# Altium PCB CherryPi.PcbDoc (part 2 of 2)
Units mil, origin at the board's own origin, x right, y up, seen from the top; angles counter-clockwise.
Board outline 3346.46 x 2204.72 mil, 4 copper layers (Top Layer, Mid-Layer 1, Mid-Layer 2, Bottom Layer), stack 49 mil thick; 110 components, 145 nets, 563 pads, 296 vias.
Unrouted connection lines stored in the file: 50.
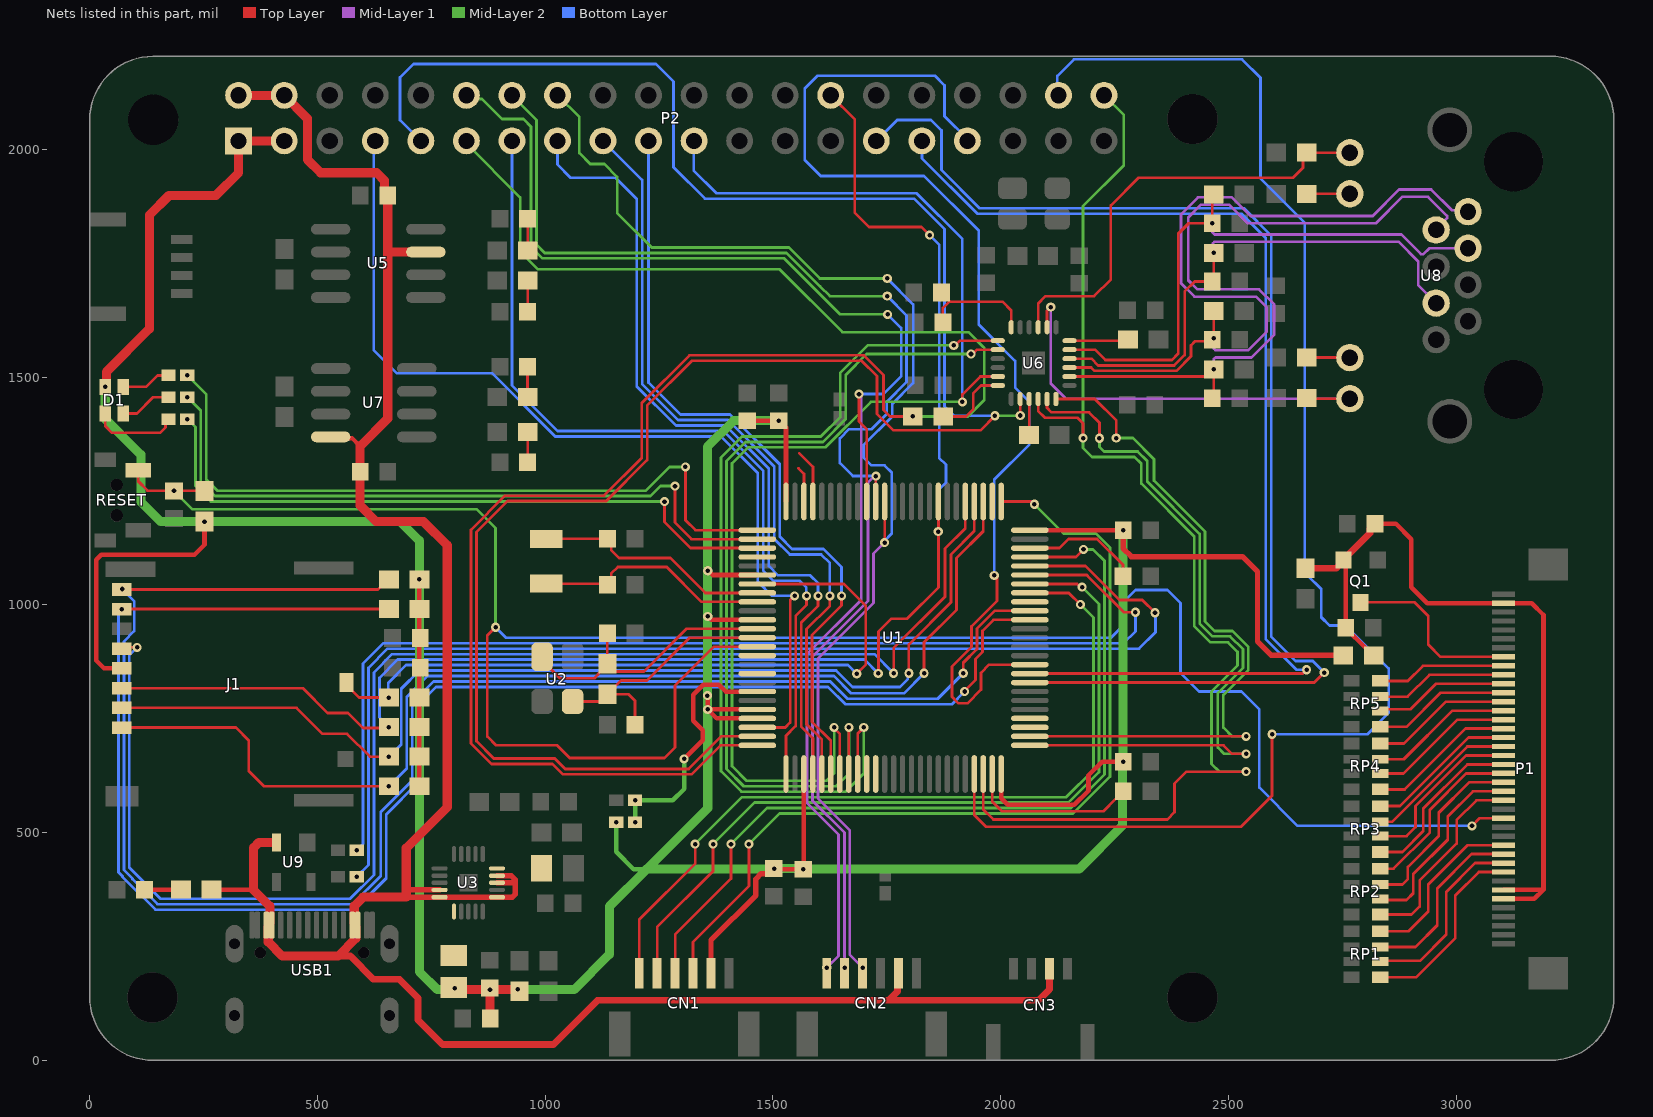
[diagram p4: the nets of this part, all layers, seen from the top]

## Via types
v1: diameter 20, hole 10, Top Layer to Bottom Layer, 296 vias

## Nets (pads, with @x,y where several pads share a name; then routed paths per layer and width w, separated by ;. In a path a pad name is that pad's centre, name@x,y a point inside that pad or via, vN(x,y) a via of type N, cw(c..) or ccw(c..) an arc to the next point about the centre after c; other vN are vias at no path point) (continued)
LCD_VCC: C1.1 C2.1 P1.6 P1.7 P1.39 Q1.2 R1.1 R4.1 | length 1739.8
  Top Layer w10: Q1.2@2753.1,1099.37 2757.87,1094.6 C2.1@2757.87,950.13 2757.87,949.14 2802.35,904.67 2802.35,904 2817.03,889.31 R1.1@2819,889.31 ; C1.1@2822,1178 2868,1178 2902,1144 2902,1039 2936.87,1004.13 P1.39@3104,1004.13 3165.87,1004.13 3192,978 3192,375 3191.2,374.2 ; P1.6@3104,354.52 3171.52,354.52 3191.2,374.2 ; P1.7@3104,374.2 3191.2,374.2
  Top Layer w15: R4.1@2669,1080.46 2736.16,1080.46 2753.1,1097.4 Q1.2@2753.1,1098.39 2753.1,1099.37 2811.19,1157.46 2811.19,1167.19 C1.1@2822,1178
LED_B: R16.1 U1.3 | length 1470.9
  Top Layer w6: v1(1262,1227) 1262,1182 1319.15,1124.85 U1.3@1465.79,1124.85
  Mid-Layer 2 w6: v1(214.34,1408) 232,1390.34 232,1261 266,1227 v1(1262,1227)
LED_G: R12.1 U1.2 | length 1537.1
  Top Layer w6: v1(1285,1261) 1285,1181 1321.46,1144.54 U1.2@1465.79,1144.54
  Mid-Layer 2 w6: v1(214.34,1456) 244,1426.34 244,1270 275,1239 1231,1239 1253,1261 v1(1285,1261)
LED_R: R19.1 U1.1 | length 1613.6
  Top Layer w6: v1(1308,1303) 1308,1186 1329.78,1164.22 U1.1@1465.79,1164.22
  Mid-Layer 2 w6: v1(214.34,1504) 256,1462.34 256,1274.97 279.97,1251 1221,1251 1273,1303 v1(1308,1303)
LINK_LED: R35.2 U6.3 U8.12 | length 983
  Top Layer w6: U6.3@2082.34,1609.74 2082.34,1661.34 2099,1678 2205,1678 2242,1715 2242,1877 2303,1938 2642,1938 2664,1960 2664,1984.95 R35.2@2672.05,1993 2672.12,1993.08 U8.12@2766.85,1993.08
LX1: L1.1 U3.11
LX3: L2.1 U3.20
NetC3_2: C3.2 U1.49 | length 375.5
  Top Layer w6: U1.49@1981.54,628.79 1981.54,568.46 2003,547 2225.98,547 2253.69,574.71 2269,590.02 C3.2@2269,591
NetC4_2: C4.2 U1.73 | length 261.6
  Top Layer w6: U1.73@2064.21,1124.85 2128.85,1124.85 2149,1145 2212,1145 2268.68,1088.32 C4.2@2268.68,1063
NetC25_1: C25.1 C26.1 U6.6 | length 259.3
  Top Layer w6: C25.1@1870,1686 1870,1685.02 1887.46,1667.56 1887.46,1666 ; C26.1@1873.32,1620.65 1873.22,1620.75 1873.22,1651.76 1887.46,1666 ; U6.6@2023.29,1609.74 2023.29,1646.71 2004,1666 1887.46,1666
NetD1_1: D1.1 R19.2 | length 109.9
  Top Layer w6: D1.1@73.43,1479 124,1479 149,1504 R19.2@173,1504
NetD1_3: D1.3 R16.2 | length 191.8
  Top Layer w6: D1.3@34,1420.38 34,1393 49,1378 154.59,1378 166.31,1389.72 166.31,1401.31 R16.2@173,1408
NetD1_4: D1.4 R12.2 | length 114.3
  Top Layer w6: D1.4@73.43,1420.38 103.38,1420.38 139,1456 R12.2@173,1456
NetD2_1: D2.1 R22.1 | length 79.9
  Top Layer w10: D2.1@120.32,375 R22.1@200.24,375
NetD3_1: D3.1 R23.1 | length 68.5
  Top Layer w6: D3.1@961.59,1644.28 R23.1@961.59,1711.99
  Top Layer w15: D3.1@961.32,1644 D3.1@961.59,1644.28 ; R23.1@961.59,1711.99 R23.1@961.87,1712.26
NetD4_1: D4.1 R26.1 | length 69.6
  Top Layer w6: D4.1@961.32,1848 961.87,1847.45 R26.1@961.87,1778.6
NetD5_1: D5.1 R34.1 | length 67.2
  Top Layer w6: D5.1@961.32,1313 961.87,1313.55 R34.1@961.87,1380
NetD8_1: D8.1 R41.1 | length 65.4
  Top Layer w6: R41.1@961.32,1457.55 D8.1@961.32,1523
NetP1_9: P1.9 RP1.2 | length 420.8
  Top Layer w6: RP1.2@2833.62,182.73 2912.73,182.73 2998.06,268.06 2998.06,361.54 3050.09,413.57 P1.9@3104,413.57
NetP1_10: P1.10 RP1.4 | length 414
  Top Layer w6: RP1.4@2833.62,218.68 2920.85,218.68 2978.37,276.21 2978.37,369.69 3041.94,433.26 P1.10@3104,433.26
NetP1_11: P1.11 RP1.6 | length 402.4
  Top Layer w6: RP1.6@2833.62,248.87 2910.87,248.87 2958.69,296.69 2958.69,377.85 3033.78,452.94 P1.11@3104,452.94
NetP1_12: P1.12 RP1.8 | length 383.2
  Top Layer w6: RP1.8@2833.62,283.52 2895.46,283.52 2939,327.06 2939,386 3025.63,472.63 P1.12@3104,472.63
NetP1_17: P1.17 RP2.2 | length 437.6
  Top Layer w6: RP2.2@2833.62,320.17 2902.17,320.17 2920,338 2920,395 3001.37,476.37 3001.37,527.37 3045.06,571.06 P1.17@3104,571.06
NetP1_18: P1.18 RP2.4 | length 424.8
  Top Layer w6: RP2.4@2833.62,354.82 2836.44,352 2891,352 2906.08,367.08 2906.08,408.92 2981.68,484.52 2981.68,535.52 3036.9,590.74 P1.18@3104,590.74
NetP1_19: P1.19 RP2.6 | length 408.7
  Top Layer w6: RP2.6@2833.62,386.31 2882.31,386.31 2894.08,398.08 2894.08,424.76 2962,492.68 2962,543.68 3028.75,610.43 P1.19@3104,610.43
NetP1_20: P1.20 RP2.8 | length 386
  Top Layer w6: RP2.8@2833.62,420.96 2862.44,420.96 2942.32,500.83 2942.32,550.34 3022.08,630.11 P1.20@3104,630.11
NetP1_21: P1.21 RP3.2 | length 379
  Top Layer w6: RP3.2@2833.62,457.61 2882.12,457.61 2928,503.49 2928,553 3024.8,649.8 P1.21@3104,649.8
NetP1_22: P1.22 RP3.4 | length 370.9
  Top Layer w6: RP3.4@2833.62,492.25 2891.01,492.25 2910.76,512 2910.76,558.24 3022,669.48 P1.22@3104,669.48
NetP1_23: P1.23 RP3.6 | length 338.9
  Top Layer w6: RP3.6@2833.62,523.75 2859.3,523.75 3024.71,689.17 P1.23@3104,689.17
NetP1_24: P1.24 RP3.8 | length 332.7
  Top Layer w6: RP3.8@2833.62,558.39 2876.97,558.39 3027.43,708.85 P1.24@3104,708.85
NetP1_25: P1.25 RP4.2 | length 325.7
  Top Layer w6: RP4.2@2833.62,595.04 2887.04,595.04 3020.54,728.54 P1.25@3104,728.54
NetP1_26: P1.26 RP4.4 | length 319.5
  Top Layer w6: RP4.4@2833.62,629.69 2884.69,629.69 3003.22,748.22 P1.26@3104,748.22
NetP1_27: P1.27 RP4.6 | length 314.6
  Top Layer w6: RP4.6@2833.62,661.19 2885.19,661.19 2991.91,767.91 P1.27@3104,767.91
NetP1_28: P1.28 RP4.8 | length 308.4
  Top Layer w6: RP4.8@2833.62,695.83 2885.83,695.83 2977.59,787.59 P1.28@3104,787.59
NetP1_29: P1.29 RP5.2 | length 301.4
  Top Layer w6: RP5.2@2833.62,732.48 2891.2,732.48 2966,807.28 P1.29@3104,807.28
NetP1_30: P1.30 RP5.4 | length 295.2
  Top Layer w6: RP5.4@2833.62,767.13 2837.5,771 2900,771 2955.96,826.96 P1.30@3104,826.96
NetP1_31: P1.31 RP5.6 | length 290.3
  Top Layer w6: RP5.6@2833.62,798.62 2893.62,798.62 2941.65,846.65 P1.31@3104,846.65
NetP1_32: P1.32 RP5.8 | length 284.3
  Top Layer w6: RP5.8@2833.62,833.27 2833.89,833 2894,833 2927.33,866.33 P1.32@3104,866.33
NetP1_33: P1.33 Q1.3 | length 400
  Top Layer w6: Q1.3@2790.5,1005.87 2909.13,1005.87 2939,976 2939,913 2965.98,886.02 P1.33@3104,886.02
NetR27_2: R27.2 U6.24 | length 129.1
  Top Layer w6: U6.24@2151.24,1580.21 2277.21,1580.21 R27.2@2279.42,1578
NetR32_2: R32.2 U6.15 | length 79.3
  Top Layer w6: R32.2@2062.54,1373 2062.66,1373.12 U6.15@2062.66,1452.26
NetR33_1: R33.1 U6.12 | length 168.3
  Top Layer w6: R33.1@1874,1414 1924,1414 1940,1430 1940,1465 1956.79,1481.79 U6.12@1993.76,1481.79
NetR38_1: R38.1 U8.10 | length 94.8
  Top Layer w6: R38.1@2672.05,1543 2672.13,1543.08 U8.10@2766.85,1543.08
NetR39_2: R39.2 U8.11 | length 95.2
  Top Layer w6: R39.2@2672.05,1902 2672.97,1902.92 U8.11@2766.85,1902.92
OSC32_IN: C14.2 U1.8 Y1.2 | length 522.5
  Top Layer w6: Y1.2@1002.2,1145.21 1136.47,1145.21 1144.93,1136.76 1144.93,1120.22 1162.15,1103 1275,1103 1351.57,1026.43 U1.8@1465.79,1026.43
OSC32_OUT: C13.1 U1.9 Y1.1 | length 522.4
  Top Layer w6: Y1.1@1002.2,1046.79 1133.9,1046.79 C13.1@1136.68,1044 1144.93,1052.24 1144.93,1068.78 1159.46,1083.32 1266.85,1083.32 1343.42,1006.74 U1.9@1465.79,1006.74
OSC_IN: C12.2 R2.2 U1.12 U2.3 | length 624.9
  Top Layer w6: U2.3@993.24,886.43 993.24,878.55 1032.79,839 1108,839 1116,847 1116,848.39 1136.57,868.96 R2.2@1136.57,870.93 ; C12.2@1136.69,938 1136.57,937.88 R2.2@1136.57,870.93 ; U1.12@1465.79,947.68 1310.55,947.68 1216.87,854 1153.5,854 R2.2@1136.57,870.93
OSC_OUT: C11.2 R2.1 U1.13 U2.1 | length 583
  Top Layer w6: U2.1@1060.17,788 1120.57,788 R2.1@1136.57,804 ; C11.2@1197.31,737 1197.31,789.69 1183,804 R2.1@1136.57,804 ; U1.13@1465.79,928 1316.84,928 1223.15,834.32 1166.88,834.32 R2.1@1136.57,804
PA0: P2.7 U1.23 | length 2106.9
  Top Layer w6: U1.23@1465.79,731.15 1527.15,731.15 1538,742 1538,1010.25 v1(1547.75,1020)
  Bottom Layer w6: P2.7@627,2019 623.49,2015.49 623.49,1559.51 674,1509 883.03,1509 1022.03,1370 1386.12,1370 1467,1289.12 1467,1051 1498,1020 v1(1547.75,1020)
PA1: P2.9 U1.24 U6.14 | length 4846.9
  Top Layer w6: U1.24@1465.79,711.46 1386.46,711.46 1315,640 1044.03,640 1021.03,663 887,663 849,701 849,1159.97 917.03,1228 1134.03,1228 1224,1317.97 1224,1438.16 1321.84,1536 1695.03,1536 1728.59,1502.44 1728.59,1419.41 1764.51,1383.49 1955.49,1383.49 v1(1987.35,1415.35) ; v1(2043,1416) U6.14@2042.97,1452.26
  Mid-Layer 2 w6: v1(1987.35,1415.35) 1987.68,1415.68 2042.68,1415.68 v1(2043,1416)
  Bottom Layer w6: P2.9@727,2019 681.49,2064.51 681.49,2158.49 711,2188 1243,2188 1282,2149 1282,1961 1350.97,1892.03 1810.06,1892.03 1877,1825.09 1877,1436 1897.65,1415.35 v1(1987.35,1415.35)
PA2: P2.11 R33.2 U1.25 | length 4133.6
  Top Layer w6: U1.25@1465.79,691.78 1384.78,691.78 1321,628 1039.06,628 1016.06,651 882.03,651 837,696.03 837,1164.94 912.06,1240 1129.06,1240 1212,1322.94 1212,1443.13 1316.87,1548 1700,1548 1743,1505 1743,1428 1757,1414 v1(1807.07,1414)
  Mid-Layer 2 w6: P2.11@827,2016 827,2013.03 945,1895.03 945,1776 984,1737 1515,1737 1653,1599 1929.03,1599 1964,1564.03 1964,1450 1928,1414 v1(1807.07,1414)
PA3: P2.13 U1.26 | length 1924.2
  Top Layer w6: U1.26@1528.78,628.79 1528.78,712.78 1550,734 1550,976 1574,1000 v1(1574,1020)
  Bottom Layer w6: P2.13@927,2019 927,1482 1027,1382 1391.09,1382 1479,1294.09 1479,1075 1501,1053 1559,1053 1573,1039 1573,1021 v1(1574,1020)
PA4: P2.15 U1.29 | length 1815.9
  Top Layer w6: U1.29@1587.83,628.79 1587.83,707.22 1562,733.06 1562,961 1599,998 v1@1599,1020
  Bottom Layer w6: P2.15@1027,2019 1027,1967 1056,1938 1154,1938 1201,1891 1201,1480.03 1287.03,1394 1396.06,1394 1491,1299.06 1491,1085.48 1511.48,1065 1582,1065 1599.25,1047.75 v1(1599.25,1020)
PA5: P2.17 U1.30 | length 1735.7
  Top Layer w6: U1.30@1607.52,628.79 1607.52,704.51 1574,738.03 1574,946.97 1625,997.97 v1(1625,1020)
  Bottom Layer w6: P2.17@1127,2019 1213,1933 1213,1485 1292,1406 1401.03,1406 1503,1304.03 1503,1145.2 1537.2,1111 1606.03,1111 1625,1092.03 v1(1625,1020)
PA6: P2.19 U1.31 | length 1713.8
  Top Layer w6: U1.31@1627.2,628.79 1627.2,701.8 1586,743 1586,934 1650.75,998.75 v1(1650.75,1020)
  Bottom Layer w6: P2.19@1227,2019 1227,1487.97 1296.97,1418 1406,1418 1515,1309 1515,1150.17 1542.17,1123 1611,1123 1650.75,1083.25 v1(1650.75,1020)
PA7: P2.21 U1.32 U6.11 | length 2864.5
  Top Layer w6: v1(1634.5,731) 1634.5,728.91 1646.89,716.52 U1.32@1646.89,628.79 ; v1(1916,1446) 1916,1462 1955.47,1501.47 U6.11@1993.76,1501.47
  Mid-Layer 2 w6: v1(1634.5,731) 1634.5,630.5 1618,614 1442,614 1410,646 1410,1311.03 1444.97,1346 1614.97,1346 1714.97,1446 v1(1916,1446)
  Bottom Layer w6: P2.21@1327,2019 1326,2018 1326,1954 1375.97,1904.03 1815.03,1904.03 1916,1803.06 v1(1916,1446)
PA8: U1.67
PA9: CN1.1 U1.68 | length 1760.6
  Top Layer w6: CN1.1@1206.58,203.86 1206.58,308.93 1329.26,431.62 v1(1329.26,475) ; U1.68@2064.21,1026.43 2149.57,1026.43 v1(2175,1001)
  Mid-Layer 2 w6: v1(1329.26,475) 1432.26,578 2144.09,578 2204,637.91 2204,972 v1(2175,1001)
PA10: CN1.2 U1.69 | length 1773.9
  Top Layer w6: CN1.2@1245.95,203.86 1245.95,292.63 1368.63,415.31 v1(1368.63,475) ; U1.69@2064.21,1046.11 2168.1,1046.11 2175.21,1039 v1(2179,1039)
  Mid-Layer 2 w6: v1(1368.63,475) 1459.63,566 2149.06,566 2216,632.94 2216,1002 v1(2179,1039)
PA11: R14.2 U1.70 | length 2448.4
  Top Layer w6: U1.70@2064.21,1065.8 2189.2,1065.8 2190.98,1064.02 2271,984 v1(2296,984)
  Bottom Layer w6: v1(586.34,461.32) 600,474.98 600,871 645,916 1327,916 2270,916 2296,942 v1(2296,984)
PA12: R18.2 U1.71 | length 2590.3
  Top Layer w6: U1.71@2064.21,1085.48 2186.49,1085.48 2260.97,1011 2311,1011 v1(2339,983)
  Bottom Layer w6: v1(586.34,403.32) 612,428.98 612,862 654,904 2304,904 2340,940 2340,982 v1(2339,983)
PA15: U1.77
PB0: U1.35
PB1: U1.36
PB3: CN2.3 P2.16 U1.89 | length 2805.5
  Top Layer w6: v1(1745.32,1137) U1.89@1745.32,1227.21
  Mid-Layer 1 w6: v1(1696.96,203.86) 1669,231.82 1669,505 1599,575 1599,882.06 1721,1004.06 1721,1112.68 v1(1745.32,1137)
  Mid-Layer 2 w6: P2.16@1027,2119 1075,2071 1075,1992 1099,1968 1130,1968 1158,1940 1158,1861.03 1234.03,1785 1239,1785 1534.96,1785 1602.96,1717 v1(1751,1717)
  Bottom Layer w6: v1(1745.32,1137) 1745.32,1140.79 1761,1156.47 1761,1291 1745.38,1306.62 1716.38,1306.62 1699,1324 1699,1350.97 1762,1413.97 1762,1440.97 1808,1486.97 1808,1660 v1(1751,1717)
PB4: CN2.2 P2.14 U1.90 | length 2955.5
  Top Layer w6: U1.90@1725.63,1227.21 1725.81,1227.4 1725.81,1282.81 v1(1726,1283)
  Mid-Layer 1 w6: v1(1657.59,203.86) 1657.59,226.26 1657,226.85 1657,500.03 1587,570.03 1587,887.03 1709,1009.03 1709,1268.89 1723.11,1283 v1(1726,1283)
  Mid-Layer 2 w6: P2.14@927,2119 981,2065 981,1791 999,1773 1529.99,1773 1603.49,1699.49 1624.99,1678 v1(1751,1678)
  Bottom Layer w6: v1(1726,1283) 1675.55,1283 1646.89,1311.66 1646.89,1365.46 1667.43,1386 1717.06,1386 1750,1418.94 1750,1445.94 1793.53,1489.47 1793.53,1635.47 v1(1751,1678)
PB5: CN2.1 P2.12 U1.91 | length 3128.4
  Top Layer w6: v1(1689,1463) 1689,1402.97 1705.94,1386.03 U1.91@1705.94,1227.21
  Mid-Layer 1 w6: v1(1618.22,203.86) 1644,229.64 1644,496.06 1575,565.06 1575,892 1694,1011 1694,1454.21 1689,1459.21 v1(1689,1463)
  Mid-Layer 2 w6: P2.12@827,2119 835.24,2110.76 861.24,2110.76 905,2067 952,2067 969,2050 969,1785.94 993.94,1761 1524.94,1761 1647.94,1638 v1(1752,1638)
  Bottom Layer w6: v1(1689,1463) 1742.53,1463 1781.53,1502 1781.53,1608.47 v1(1752,1638)
PB10: P2.38 U1.47 | length 3246.7
  Top Layer w6: U1.47@1942.17,628.79 1942.17,538.83 1968,513 2528,513 2596,581 v1(2596,716)
  Bottom Layer w6: P2.38@2127,2119 2124.49,2121.51 2124.49,2161.49 2161,2198 2530,2198 2570.51,2157.49 2570.51,1936.51 2668,1839.02 2668,1070.97 2672.97,1066 ; v1(2596,716) 2804.97,716 2852,763.03 2852,860.85 2771.93,940.93 2757.85,955 2721.97,955 2704,972.97 2704,1035 2673,1066
PB11: P2.40 U1.48 U6.16 | length 2760.2
  Top Layer w6: U1.48@1961.85,628.79 1961.85,551.15 1984,529 2366,529 2382,545 2382,608 2408,634 v1(2539,634) ; U6.16@2082.34,1452.26 2082.34,1425.66 2097,1411 2169,1411 2181,1399 v1(2181,1366.31)
  Mid-Layer 2 w6: P2.40@2227,2119 2270.49,2075.51 2270.49,1965.49 2181,1876 v1(2181,1366.31) 2181,1345 2201,1325 2294,1325 2309,1310 2309,1266.88 2425,1150.88 2425,954 2461,918 2499,918 2520,897 2520,867 2463,810 2463,651 2480,634 v1(2539,634)
PB12: U1.51 U6.17 | length 1630.8
  Top Layer w6: U1.51@2064.21,691.78 2489.18,691.78 2507.96,673 v1(2539,673) ; U6.17@2102.03,1452.26 2102.03,1432.97 2112,1423 2194,1423 2217,1400 v1(2217,1366)
  Mid-Layer 2 w6: v1(2217,1366) 2217,1347 2227,1337 2301,1337 2322,1316 2322,1270.85 2437,1155.85 2437,958.97 2464.97,931 2504,931 2532,903 2532,862.03 2477,807.03 2477,687 2491,673 v1(2539,673)
PB13: U1.52 U6.18 | length 1546.2
  Top Layer w6: U1.52@2064.21,711.46 v1(2539,711.46) ; U6.18@2121.4,1452.26 2206.74,1452.26 2254,1405 v1(2254,1366.47)
  Mid-Layer 2 w6: v1(2254,1366.47) 2290.53,1366.47 2337,1320 2337,1272.82 2449,1160.82 2449,963.94 2469.94,943 2508.97,943 2544,907.97 2544,857.06 2489,802.06 2489,731 2508.54,711.46 v1(2539,711.46)
PB14: U1.53
PB15: U1.54
PC0: U1.15
PC2: U1.17
PC4: U1.33 U6.8 | length 1929.6
  Top Layer w6: U1.33@1666.57,628.79 1666.79,629 1666.79,730.79 v1(1667,731) ; v1(1935,1551) 1938.79,1551 1948.32,1560.53 U6.8@1993.76,1560.53
  Mid-Layer 2 w6: v1(1667,731) 1667,630 1639,602 1435.97,602 1398,639.97 1398,1316 1440,1358 1610,1358 1660,1408 1660,1505.03 1705.97,1551 v1(1935,1551)
PC5: U1.34 U6.7 | length 2017.4
  Top Layer w6: U1.34@1686.26,628.79 1686.26,717.37 1699.5,730.61 v1(1699.5,731) ; v1(1897,1570) 1900.79,1570 1911,1580.21 U6.7@1993.76,1580.21
  Mid-Layer 2 w6: v1(1699.5,731) 1699.5,629.5 1660,590 1431,590 1386,635 1386,1324 1432,1370 1605.03,1370 1648,1412.97 1648,1510 1708,1570 v1(1897,1570)
PC8: J1.7 R13.2 U1.65 | length 3735.8
  Top Layer w6: J1.7@70.1,990.6 v1(70.37,990.87) 70.64,991.14 R13.2@657,991.14 ; v1(1921,810) 1921,811 1945,835 1945,881.54 1960,896.54 1960,943.09 1984.28,967.37 U1.65@2064.21,967.37
  Bottom Layer w6: v1(70.37,990.87) 63,983.5 63,413.06 72.53,403.53 ; 72,403 144,331 582,331 651,400 651,540.03 720,609.03 720,779.89 760.11,820 1621.03,820 1659.03,782 1893,782 v1(1921,810)
PC9: J1.8 R15.2 U1.66 | length 3774.6
  Top Layer w6: J1.8@70.1,1033.9 632.93,1033.9 655.03,1056 R15.2@657,1056 ; v1(1918,850) 1918,873.03 1948,903.03 1948,948.06 1987,987.06 U1.66@2064.21,987.06
  Bottom Layer w6: v1(71,1035) 97.61,1008.39 97.61,942.61 75,920 75,418.03 94,399.03 94,397.97 148.97,343 577.03,343 639,404.97 639,545 708,614 708,784.86 755.14,832 1626,832 1664,794 1862,794 v1(1918,850)
PC10: J1.1 R7.2 U1.78 | length 2511.7
  Top Layer w6: J1.1@70.1,730.7 321.3,730.7 349,703 349,636 383.03,601.97 v1(657,601.97) ; v1(1832,850) 1832,918.03 1903,989.03 1903,1103 1961.85,1161.85 U1.78@1961.85,1227.21
  Bottom Layer w6: v1(657,601.97) 696,640.97 696,798 742,844 1634,844 1672,806 1788,806 v1(1832,850)
PC11: J1.2 R9.2 U1.79 | length 2392.9
  Top Layer w6: J1.2@70.1,774 454.03,774 511.02,717.01 564.99,717.01 615.17,666.83 v1(657,666.83) ; v1(1798.54,850) 1798.54,913.54 1891,1006 1891,1111 1942.17,1162.17 U1.79@1942.17,1227.21
  Bottom Layer w6: v1(657,666.83) 684,693.83 684,816 724,856 1639,856 1675,820 1779,820 1796.33,837.33 1796.33,847.8 v1(1798.54,850)
PC12: J1.5 U1.80 | length 3175.1
  Top Layer w6: J1.5@70.1,904 73.1,907 v1(104,907) ; v1(1765.07,850) 1765.07,905.07 1878,1018 1878,1124 1922.48,1168.48 U1.80@1922.48,1227.21
  Bottom Layer w6: v1(104,907) 87,890 87,423 155,355 571.7,355 624,407.3 624,851.92 664.08,892 1723.07,892 v1(1765.07,850)
PC13: J1.9 R17.2 U1.7 | length 1611.1
  Top Layer w6: J1.9@563.8,829.7 563.8,824.4 591.65,796.55 v1(657,796.55) ; U1.7@1465.79,1046.11 1655.89,1046.11 1704,998 1704,869 v1(1684,849)
  Bottom Layer w6: v1(657,796.55) 655.45,798.1 655.45,829.04 694.41,868 1665,868 v1(1684,849)
PD2: J1.3 P2.28 R10.2 U1.83 | length 3455.1
  Top Layer w6: J1.3@70.1,817.3 467.7,817.3 522,763 567,763 600,730 655.31,730 v1(657,731.69) ; P2.28@1627,2119 1680,2066 1680,1861 1711,1830 1826,1830 v1(1844,1812) ; v1(1731.37,849.76) 1731.61,850 1731.61,941.61 1760,970 1795,970 1863.43,1038.43 U1.83@1863.43,1227.21
  Bottom Layer w6: v1(657,731.69) 636,752.69 636,840 676,880 1701.13,880 v1(1731.37,849.76) ; v1(1844,1812) 1865,1791 1865,1323 1880,1308 1880,1269 1863,1252 v1(1863,1161)
PD11: P2.29 U1.58 | length 2727.6
  Top Layer w6: U1.58@2064.21,829.57 2688.57,829.57 v1(2710.55,851.55)
  Bottom Layer w6: P2.29@1727,2019 1773,2065 1847,2065 1870,2042 1870,1954.91 1953.91,1871 2534.2,1871 2594,1811.2 2594,930.58 2647.77,876.8 2685.3,876.8 v1(2710.55,851.55)
PD12: P2.31 U1.59 | length 2475.1
  Top Layer w6: U1.59@2064.21,849.26 2663.26,849.26 v1(2671.8,857.8)
  Bottom Layer w6: P2.31@1827,2019 1827.47,2018.53 1827.47,1980.47 1948.94,1859 2529.23,1859 2582,1806.23 2582,925.61 2649.8,857.8 v1(2671.8,857.8)
PD13: P2.33 U1.60 | length 2451.9
  Top Layer w6: v1(1986,1065) 1992.03,1058.97 1992.03,1009.06 1936,953.03 1936,908 1893,865 1893,798.49 1907.49,784 1927,784 1957,814 1957,851 1974.94,868.94 U1.60@2064.21,868.94
  Bottom Layer w6: P2.33@1927,2019 1927,2022.97 1877,2072.97 1877,2141 1856,2162 1598,2162 1570,2134 1570,1977 1605,1942 1832,1942 1952,1822 1952,1616 2032,1536 2032,1477 2062.66,1446.34 2062.66,1351.66 1986,1275 v1(1986,1065)
PE0: U1.97 | length 118.1
  Top Layer w6: 1558,1333 1587.83,1303.17 U1.97@1587.83,1227.21
PE1: U1.98 | length 77.8
  Top Layer w6: 1556,1300 1568.15,1287.85 U1.98@1568.15,1227.21
PE5: U1.4
PIN_19: AT32.1 STM32.1 U1.19 | length 555
  Top Layer w10: v1(1305,662) 1346,703 1346,725 1325,746 1325,803.2 1346.8,825 1381,825 1396.11,809.89 U1.19@1465.79,809.89
  Mid-Layer 2 w10: v1(1197.34,523) v1(1197.34,571) 1280,571 1305,596 v1(1305,662)
RESET: C15.2 P1.15 R5.2 RESET.2 U1.14 | length 4885
  Top Layer w6: RESET.2@106.44,1295.95 106.44,1271.56 127,1251 251,1251 R5.2@252,1250 ; v1(891,951) 890.51,951 873,933.49 873,710.97 891.99,691.99 1025.99,691.99 1053.97,664 1262.03,664 1285,686.97 1285,823 1370.32,908.32 U1.14@1465.79,908.32 ; v1(3035,515) 3051.68,531.68 P1.15@3104,531.68
  Mid-Layer 2 w6: v1(185,1250.32) 225.32,1210 850,1210 891,1169 v1(891,951)
  Bottom Layer w6: v1(891,951) 914,928 2242,928 2265,951 2265,1002 2296,1033 2366,1033 2395,1004 2395,850.89 2436,809.89 2528.63,809.89 2568,770.52 2568,599 2652,515 v1(3035,515)
SPEED_LED: R37.1 U6.2 U8.9 | length 981.4
  Top Layer w6: U6.2@2102.03,1609.74 2102.03,1646.03 v1(2110,1654) ; R37.1@2672.05,1454 2673.13,1452.92 U8.9@2766.85,1452.92
  Mid-Layer 1 w6: v1(2110,1654) 2110,1486 2143.08,1452.92 U8.9@2766.85,1452.92
SWCLK: CN1.4 U1.76 | length 1959.6
  Top Layer w6: CN1.4@1324.69,203.86 1324.69,260.01 1447.37,382.69 v1(1447.37,475) ; U1.76@2001.22,1227.21 2067.79,1227.21 v1(2074,1221)
  Mid-Layer 2 w6: v1(1447.37,475) 1514.37,542 2159,542 2240,623 2240,1126 2209,1157 2138,1157 v1(2074,1221)
SWDIO: CN1.3 U1.72 | length 1855.5
  Top Layer w6: CN1.3@1285.32,203.86 1285.32,276.32 1408,399 v1(1408,475) ; U1.72@2064.21,1105.17 2165.17,1105.17 v1(2182,1122)
  Mid-Layer 2 w6: v1(1408,475) 1487,554 2154.03,554 2228,627.97 2228,1097 2203,1122 v1(2182,1122)
TPRX+: C34.1 R28.2 U6.23 U8.3 | length 1271.9
  Top Layer w6: U6.23@2151.24,1560.53 2207.47,1560.53 2230,1538 2376,1538 2390,1552 2390,1815 2413.12,1838.12 v1(2464.61,1838.12) 2464.61,1897.54 R28.2@2468.07,1901
  Mid-Layer 1 w6: v1(2464.61,1838.12) 2464.61,1818.83 2469.85,1813.58 2879.87,1813.58 2923.24,1770.22 2928.21,1770.22 2941.22,1783.24 U8.3@3026.3,1783.24
TPRX-: C35.1 R29.2 U6.22 U8.6 | length 1140.8
  Top Layer w6: U6.22@2151.24,1540.84 2199.16,1540.84 2214,1526 2381.03,1526 2404,1548.97 2404,1688 2426.17,1710.17 C35.1@2464.61,1710.17 2468.07,1713.63 v1(2468.07,1773.04)
  Mid-Layer 1 w6: v1(2468.07,1773.04) 2466.34,1774.78 2466.34,1794.07 2469.85,1797.58 2873.25,1797.58 2917.22,1753.61 2917.22,1701.76 U8.6@2956.22,1662.76
TPTX+: C32.1 R30.2 U6.21 U8.1 | length 1702
  Top Layer w6: U6.21@2151.24,1521.16 2198.84,1521.16 2206,1514 2386,1514 2418,1546 2418,1570 2427,1579 2461.4,1579 C32.1@2464.61,1582.21 v1(2468.07,1585.67) R30.2@2468.07,1645.09
  Mid-Layer 1 w6: v1(2468.07,1585.67) 2468.07,1562.92 2471.59,1559.4 2544,1559.4 2584,1599.4 2584,1654 2561,1677 2425.37,1677 2396,1706.37 2396,1857.63 2433.37,1895 2507.63,1895 2548.5,1854.12 2817.12,1854.12 2875,1912 2945.39,1912 2990.81,1866.58 3023.27,1866.58 U8.1@3026.3,1863.55
TPTX-: C33.1 R31.2 U6.20 U8.2 | length 1658.9
  Top Layer w6: U6.20@2151.24,1501.47 2452.42,1501.47 v1(2468.07,1517.13) 2468.07,1457.72 C33.1@2464.61,1454.25
  Mid-Layer 1 w6: v1(2468.07,1517.13) 2468.07,1539.89 2471.59,1543.4 2550.63,1543.4 2600,1592.77 2600,1660.63 2567.63,1693 2432,1693 2412,1713 2412,1851 2440,1879 2501,1879 2541.88,1838.12 2823.75,1838.12 2881.63,1896 2938.77,1896 2980.39,1854.37 2980.39,1849.4 2956.22,1825.23 U8.2@2956.22,1823.39
VCC_3.3V: C5.1 C6.1 C7.1 C8.1 C9.1 C10.1 C16.2 C17.2 C18.1 C19.1 CN1.5 D1.2 J1.4 L1.2 P2.1 P2.3 R1.2 R5.1 R7.1 R8.2 R9.1 R10.1 R13.1 R15.1 R17.1 STM32.2 U1.6 U1.11 U1.21 U1.22 U1.28 U1.50 U1.75 U1.100 | length 10359
  Top Layer w6: C19.1@723.93,927.38 R13.1@723.93,991.14
  Top Layer w10: J1.4@70.1,860.7 31.3,860.7 14,878 14,1099 25,1110 230,1110 252,1132 v1(252,1183.07) ; R7.1@723.93,601.97 R9.1@723.93,666.83 R10.1@723.93,731.69 R17.1@723.93,796.55 R13.1@723.93,991.14 v1(723.93,1056) ; v1(1357,975) 1364.63,967.37 U1.11@1465.79,967.37 ; v1(1357,1075) 1358.65,1075 1367.86,1065.8 U1.6@1465.79,1065.8 ; v1@1358.97,802 1357,802 v1(1357,770.52) ; C10.1@1444,1404.72 v1(1513,1404.72) 1513.98,1404.72 1528.78,1389.92 U1.100@1528.78,1227.21 ; U1.22@1465.79,750.83 1376.69,750.83 v1(1357,770.52) ; U1.21@1465.79,770.52 v1(1357,770.52) ; C8.1@1497.63,420 v1(1567,420) 1568.15,421.15 U1.28@1568.15,628.79 ; C8.1@1502,421.31 v1(1502.63,420.69) ; U1.50@2001.22,628.79 2001.57,628.44 2001.57,575.43 2016,561 2162,561 2193,592 2193,626 2223,656 v1(2269,656) ; U1.75@2064.21,1164.22 2268.78,1164.22 v1(2269,1164)
  Top Layer w12: CN1.5@1364.06,191.86 1364.06,264.06 1462.37,362.37 1462.37,398.22 1474.21,410.06 1488.71,410.06 1497.63,418.98 C8.1@1497.63,420 ; v1(2269,1164) 2269,1124 2287,1106 2531,1106 2564,1073 2564,920 2594.69,889.31 R1.2@2752.07,889.31
  Top Layer w20: v1(34,1479) 36.5,1481.5 36.5,1511.5 131,1606 131,1856 174,1899 277,1899 327,1949 P2.1@327,2019 P2.3@427,2019 ; L1.2@799.31,159.96 803.26,156.02 C16.2@878.31,156.02 ; C17.2@879.31,92 878.81,92.5 v1(878.81,155.52) C16.2@878.31,156.02 ; R8.2@943.31,152.07 v1(939.37,156.02) C16.2@878.31,156.02
  Mid-Layer 2 w10: v1(1156,523) 1156,458 1194,420 1223,420
  Mid-Layer 2 w20: v1(34,1479) 34,1408.35 112.35,1330 112.35,1226.65 155.93,1183.07 v1(252,1183.07) 681.93,1183.07 723.93,1141.07 v1(723.93,1056) 723.93,195.07 763.48,155.52 798.81,155.52 v1(801.29,157.99) ; v1@801.29,155.52 v1(878.81,155.52) 1063.48,155.52 1141,233.03 1141,338 1223,420 ; v1@1356,770.52 v1(1356,801) 1356,974 v1(1357,975) 1356,976 1356,1074 v1(1357,1075) ; v1@1356,1075 1356,1347 1413.72,1404.72 v1(1513,1404.72) v1@1513.49,1404.72 ; v1(1357,770.52) 1357,554 1223,420 ; v1@1497.63,420 1223,420 ; v1@1497.63,421.15 v1@1567,421.15 ; v1(1567,420) 2172,420 2268,516 v1@2268,656 ; v1(2269,656) v1(2269,1164)
VCC_5V: C24.1 C27.2 CN2.5 CN3.3 P2.2 P2.4 R22.2 U3.9 U3.10 U3.16 U3.18 U3.19 U5.3 U7.8 U9.2 USB1.A4 USB1.A9 USB1.B4 USB1.B9 | length 5423
  Top Layer w10: R22.2@267.17,375 359,375 360,374 ; U7.8@529,1369 531.52,1366.48 575.89,1366.48 593.68,1348.69 ; 933,390 934,389
  Top Layer w12: 695,358.5 U3.10@768.31,358.5 U3.16@894.34,358.5 928.14,358.5 934,364.36 934,389 934,397 925.25,405.75 U3.19@894.34,405.75 ; 695,369.25 700,374.25 U3.9@768.31,374.25 ; U3.18@894.34,390 933,390
  Top Layer w15: 545.39,229 572.12,229 623.12,178 680,178 721,137 721,89 775,35 1018.24,35 1115.24,132 1754,132 ; CN2.5@1775.7,191.86 1773.36,189.51 1773.36,151.36 1754,132 ; CN3.3@2107.03,201.7 2107.03,156.03 2083,132 1754,132
  Top Layer w20: P2.2@327,2119 P2.4@427,2119 478,2068 478,1978 507,1949 630,1949 647.15,1931.86 647.15,1906.17 C24.1@654.32,1899 654.32,1778 ; USB1.A4@391.86,292.91 391.86,260.14 423,229 545.39,229 584.46,268.07 USB1.A9@584.46,292.91 ; USB1.B9@395.48,301.09 395.48,338.52 360,374 360,466.91 371.72,478.62 U9.2@410.2,478.62 ; USB1.B4@580.83,301.09 580.83,338.83 600.5,358.5 695,358.5 695,369.25 695,466 785,556 785,1131 732.93,1183.07 628.93,1183.07 593.69,1218.31 C27.2@593.69,1292 593.69,1348.69 654.32,1409.32 654.32,1778 ; U5.3@737.98,1775 657.32,1775 654.32,1778
pads on no net: P1.0 P1.1 P1.2 P1.3 P1.4 P1.8 P1.14 RESET. RESET.3 RESET.4 U3.3 U3.6 U3.7 U3.8 U5.5 U6.10 U8. U8.7 USB1.0 USB1.A5 USB1.A8 USB1.B5 USB1.B8

## Polygon pours and split planes (outlines as drawn)
GND on Top Layer "GND_L01_P012" (solid, remove dead copper, pour order 12): -3,0 -3,2202 0,2205 3346,2205 3346,0.46 3346.46,0
LX1 on Top Layer "LX1_L01_P010" (solid, pour order 10): 804,345 804,302 831,275 831,209 825,203 772,203 768,207 768,341 772,345
LX3 on Top Layer "LX3_L01_P009" (solid, pour order 9): 876.59,430.41 876.59,415.59 934.41,415.59 959,391 1018,391 1018,450 1013,455 889,455 876.59,442.59
GND on Mid-Layer 1 "GND_L02_P013" (solid, remove dead copper, pour order 13): 0,0 0,2199 -3,2202 3343,2202 3346,2205 3346,0.19 3345.81,0
GND on Mid-Layer 2 "GND_L03_P014" (solid, remove dead copper, pour order 14): -3,0 3345.81,0 3345.81,2202.19 3344.5,2203.5 1.5,2203.5 0,2205
GND on Bottom Layer "GND_L04_P015" (solid, remove dead copper, pour order 15): -3,3.54 -3,2199 -1.5,2200.5 3345.74,2200.5 3346,2200.76 3346,0.46

## Keep-outs
Keep-Out Layer:
  circle w1: c2421.26,137.8 r118.11
  circle w1: c2421.26,2066.93 r118.11
  circle w1: c137.8,2066.93 r118.11
  circle w1: c137.8,137.8 r118.11
  lines w1: -0.1,139 ccw(c137.8,137.8) 139.97,-0.09 ; 0,139 0,2064.28 ; 0.66,2064.28 cw(c138.55,2066.45) 139.75,2204.35 ; 139.75,2205 3205.57,2205 ; 139.97,0 3206.54,0 ; 3205.57,2205.09 cw(c3207.75,2067.2) 3345.64,2066 ; 3206.54,-0.1 ccw(c3207.75,137.8) 3345.63,139.97 ; 3345.54,139.97 3345.54,2066

## Silkscreen, mask and mechanical layers (free items; w line width, h text height)
Top Overlay:
  drawing of 3111 lines, arcs and shapes, not listed
  text "CAN_L" at 234.93,1797.35 h50
  text "CAN_H" at 234.93,1754.35 h50
  text "485_A" at 234.93,1711.77 h50
  text "485_B" at 234.93,1669.19 h50
  text "CAN" at 1196,1651 h100 r90
  text "RS485" at 1196,1279 h100 r90
  text "CherryPi" at 2041,433.99 h180
  text "POWER" at 10,419 h100
  text "2022.10.30, V0.1" at 2125.14,347.29 h80
  text "SCL" at 2039.85,240.89 h50 r90
  text "SDA" at 2082.46,240.89 h50 r90
  text "5V" at 2124.56,240.89 h50 r90
  text "GND" at 2167.17,240.89 h50 r90
  text "Tx" at 1210.86,234.89 h50 r90
  text "Rx" at 1252.13,234.89 h50 r90
  text "SWDIO" at 1294.85,234.89 h50 r90
  text "SWCLK" at 1337.46,234.89 h50 r90
  text "3.3V" at 1379.56,234.89 h50 r90
  text "GND" at 1422.17,234.89 h50 r90
  text "MOSI" at 1622.3,234.94 h50 r90
  text "MISO" at 1663.58,234.94 h50 r90
  text "SCK" at 1706.85,234.89 h50 r90
  text "CS" at 1749.46,234.89 h50 r90
  text "5V" at 1791.56,234.89 h50 r90
  text "GND" at 1834.17,234.89 h50 r90
Bottom Overlay:
  text "GND" at 579.91,1933.36 h50 r90
  text "PB7" at 680.07,1933.37 h50 r90
  text "PB6" at 780.23,1933.36 h50 r90
  text "PB5" at 880.39,1933.37 h50 r90
  text "PB4" at 980.54,1933.36 h50 r90
  text "PB3" at 1080.7,1933.37 h50 r90
  text "PD7" at 1180.86,1933.36 h50 r90
  text "PD6" at 1281.02,1933.37 h50 r90
  text "PD5" at 1381.18,1933.36 h50 r90
  text "PD4" at 1481.33,1933.36 h50 r90
  text "PD3" at 1581.49,1933.36 h50 r90
  text "PD2" at 1681.65,1933.37 h50 r90
  text "PD0" at 1881.96,1933.36 h50 r90
  text "PB8" at 1982.12,1933.36 h50 r90
  text "PB9" at 2082.28,1933.36 h50 r90
  text "PB10" at 2182.44,1933.36 h50 r90
  text "PB11" at 2282.6,1933.36 h50 r90
  text "5V" at 379.6,1931.27 h50 r90
  text "5V" at 479.75,1931.27 h50 r90
  text "PD1" at 1781.81,1931.27 h50 r90
  text "3.3V" at 379.6,1685.1 h50 r90
  text "3.3V" at 479.75,1685.1 h50 r90
  text "GND" at 579.91,1685.1 h50 r90
  text "PA0" at 680.07,1685.1 h50 r90
  text "PA2" at 880.39,1685.1 h50 r90
  text "PA3" at 980.54,1685.1 h50 r90
  text "PA4" at 1080.7,1685.1 h50 r90
  text "PA5" at 1180.86,1685.1 h50 r90
  text "PA6" at 1281.02,1685.1 h50 r90
  text "PA7" at 1381.17,1685.1 h50 r90
  text "PD8" at 1481.33,1685.1 h50 r90
  text "PD9" at 1581.49,1685.1 h50 r90
  text "PD10" at 1681.65,1685.1 h50 r90
  text "PD11" at 1781.81,1685.1 h50 r90
  text "PD12" at 1881.96,1685.1 h50 r90
  text "PD13" at 1982.12,1685.1 h50 r90
  text "PD14" at 2082.28,1685.1 h50 r90
  text "PD15" at 2182.44,1685.1 h50 r90
  text "GND" at 2282.6,1685.1 h50 r90
  text "PA1" at 780.23,1683 h50 r90
Mechanical 1:
  circle w1: c2421.26,137.8 r55.12
  circle w1: c2421.26,2066.93 r55.12
  circle w1: c137.8,2066.93 r55.12
  circle w1: c137.8,137.8 r55.12
  lines w1: 139,-0.28 3206.46,-0.28 ; 140,0 cw(c139.5,139.5) 0,139 0,2064.72 cw(c139.5,2065.22) 139,2204.72 3206.46,2204.72 cw(c3206.96,2065.22) 3346.46,2065.72 3346.46,140 cw(c3206.96,139.5) 3207.46,0

## Dimensions
0,0 to 3346.46,0 on Mechanical 1
0,0 to 0,2204.72 on Mechanical 1